# Altium PCB carrier.PcbDoc (part 2 of 3)
Units mm, origin at the board's own origin, x right, y up, seen from the top; angles counter-clockwise.
Board outline 140 x 87 mm, 4 copper layers (Component Side, Power_layer1, Power_layer2, Solder Side), stack 1.674 mm thick; 380 components, 432 nets, 1873 pads, 238 vias.
Unrouted connection lines stored in the file: 867.
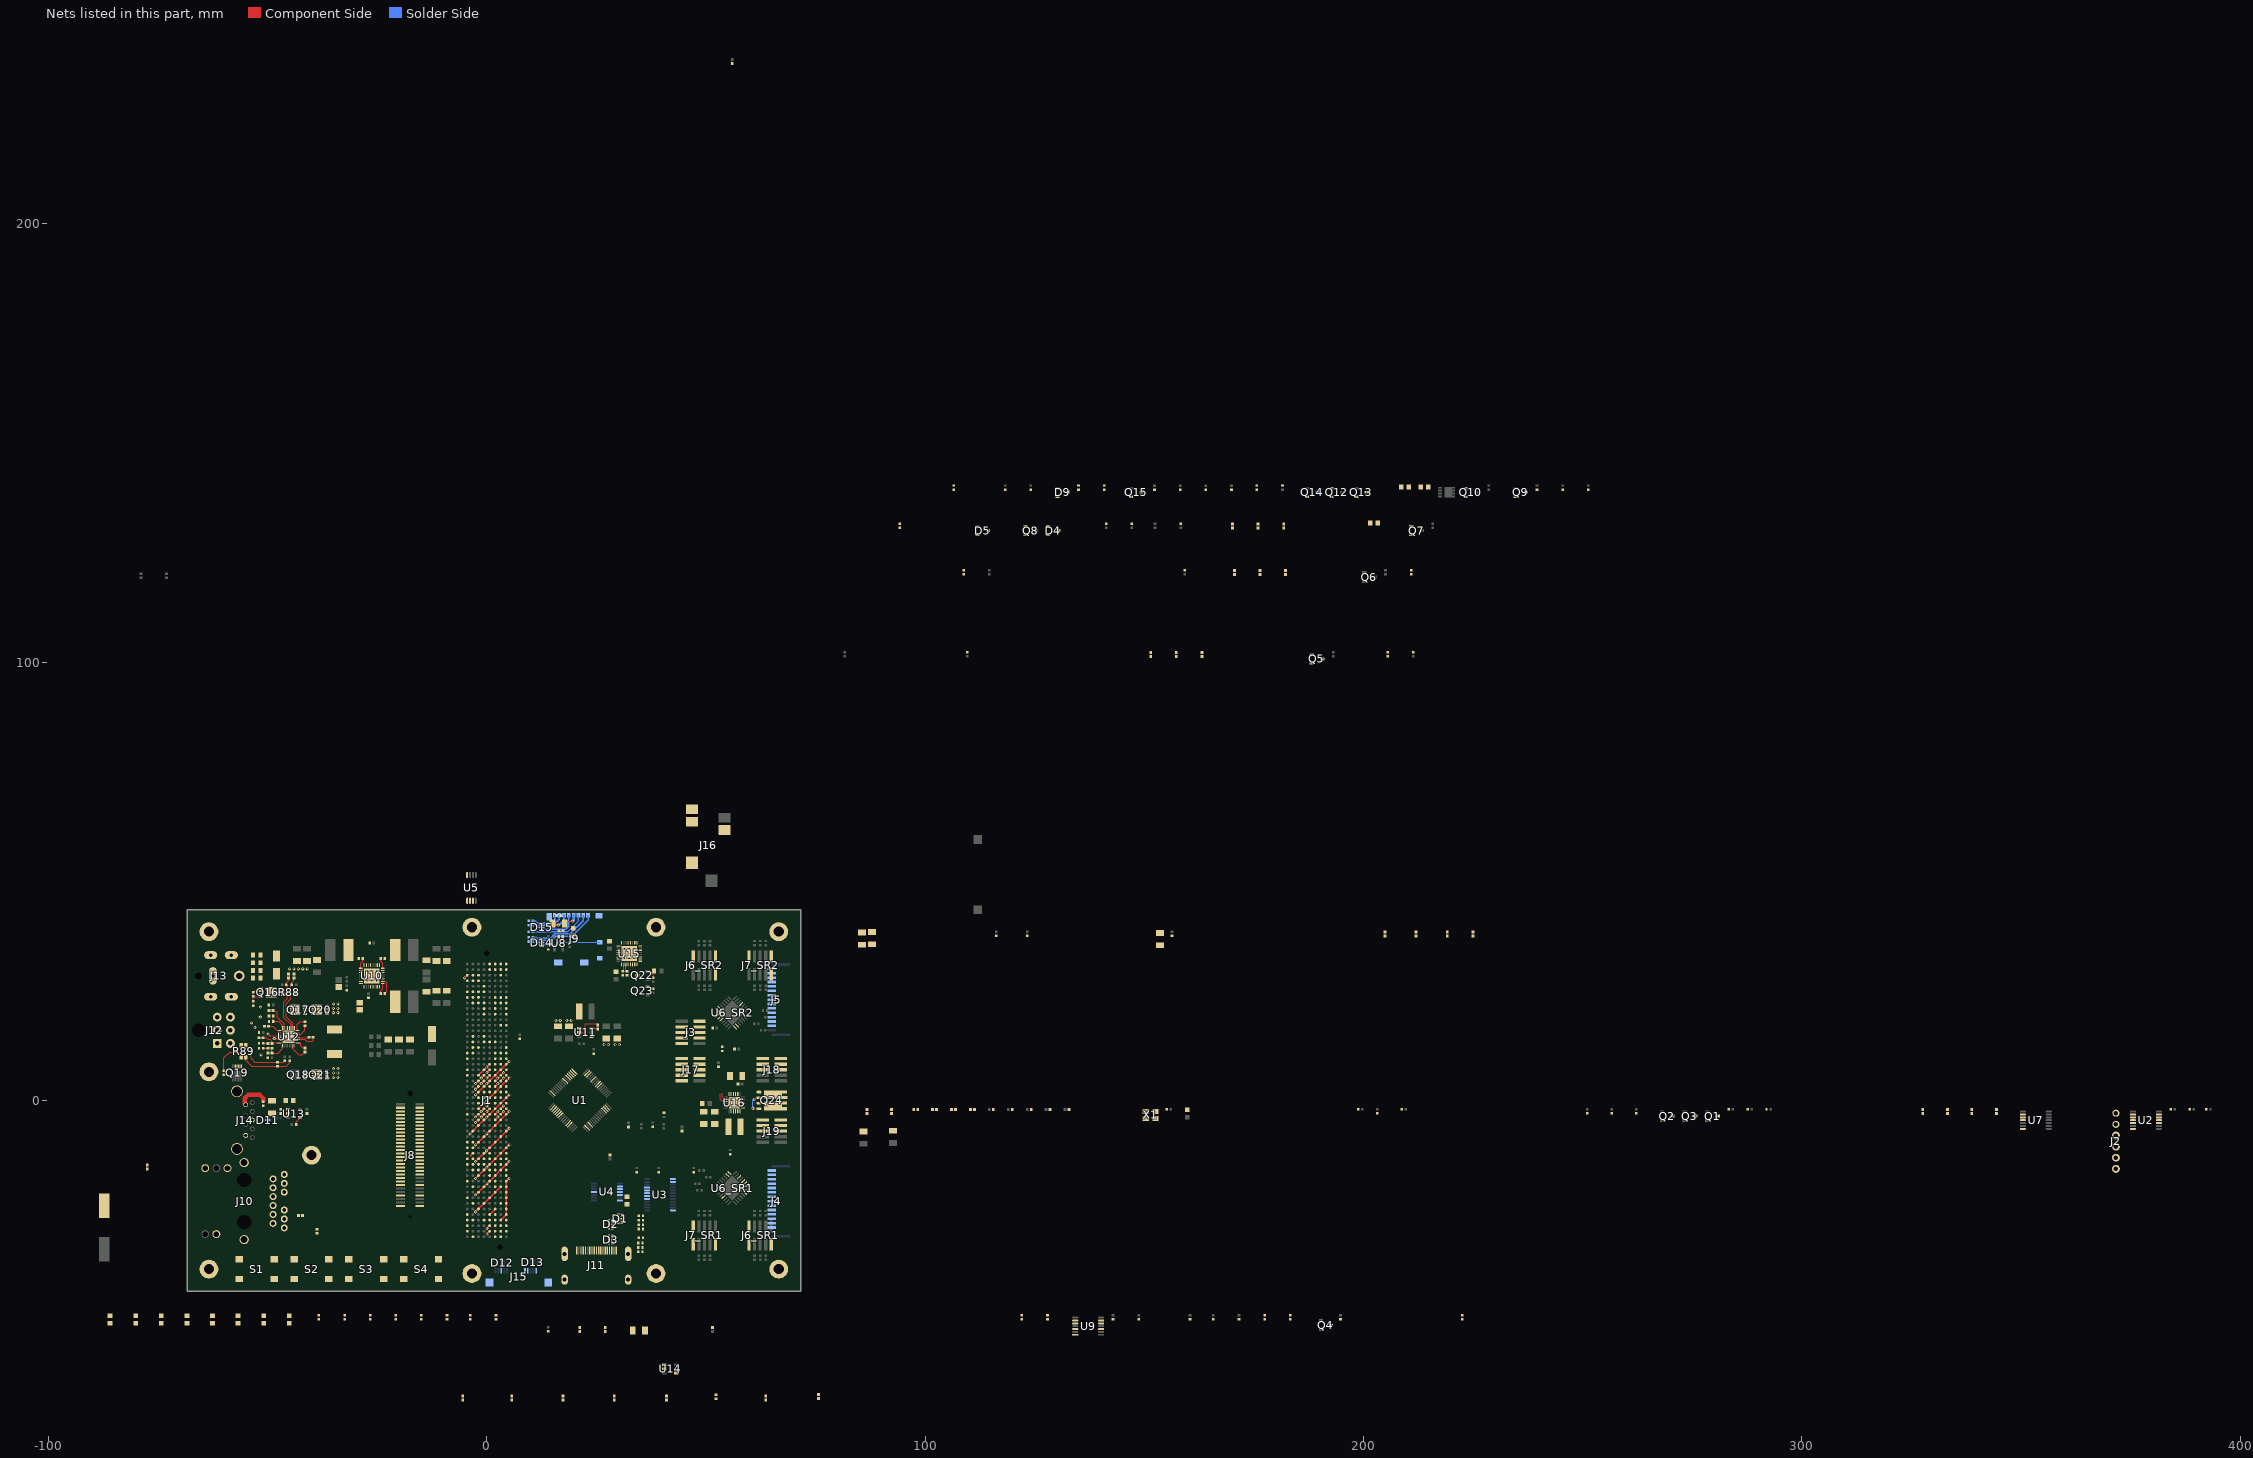
[diagram p4: the nets of this part, all layers, seen from the top]

## Footprints (in the part's own frame and the unit in brackets; to place one, negate y for a bottom-side part, rotate by r counter-clockwise, add the part's x,y. Pads: shape width x height; smd on the part's side, far side on the other; paste and mask are expansions set on the pad) (continued)
SEAM-50-02.0-XX-08-X-A [mil]
  round 25 smd paste+5 mask+2: A1(1225,175) A2(1175,175) A3(1125,175) A4(1075,175) A5(1025,175) A6(975,175) A7(925,175) A8(875,175) A9(825,175) A10(775,175) A11(725,175) A12(675,175) A13(625,175) A14(575,175) A15(525,175) A16(475,175) A17(425,175) A18(375,175) A19(325,175) A20(275,175) A21(225,175) A22(175,175) A23(125,175) A24(75,175) A25(25,175) A26(-25,175) A27(-75,175) A28(-125,175) A29(-175,175) A30(-225,175) A31(-275,175) A32(-325,175) A33(-375,175) A34(-425,175) A35(-475,175) A36(-525,175) A37(-575,175) A38(-625,175) A39(-675,175) A40(-725,175) A41(-775,175) A42(-825,175) A43(-875,175) A44(-925,175) A45(-975,175) A46(-1025,175) A47(-1075,175) A48(-1125,175) A49(-1175,175) A50(-1225,175) B1(1225,125) B2(1175,125) B3(1125,125) B4(1075,125) B5(1025,125) B6(975,125) B7(925,125) B8(875,125) B9(825,125) B10(775,125) B11(725,125) B12(675,125) B13(625,125) B14(575,125) B15(525,125) B16(475,125) B17(425,125) B18(375,125) B19(325,125) B20(275,125) B21(225,125) B22(175,125) B23(125,125) B24(75,125) B25(25,125) B26(-25,125) B27(-75,125) B28(-125,125) B29(-175,125) B30(-225,125) B31(-275,125) B32(-325,125) B33(-375,125) B34(-425,125) B35(-475,125) B36(-525,125) B37(-575,125) B38(-625,125) B39(-675,125) B40(-725,125) B41(-775,125) B42(-825,125) B43(-875,125) B44(-925,125) B45(-975,125) B46(-1025,125) B47(-1075,125) B48(-1125,125) B49(-1175,125) B50(-1225,125) C1(1225,75) C2(1175,75) C3(1125,75) C4(1075,75) C5(1025,75) C6(975,75) C7(925,75) C8(875,75) C9(825,75) C10(775,75) C11(725,75) C12(675,75) C13(625,75) C14(575,75) C15(525,75) C16(475,75) C17(425,75) C18(375,75) C19(325,75) C20(275,75) C21(225,75) C22(175,75) C23(125,75) C24(75,75) C25(25,75) C26(-25,75) C27(-75,75) C28(-125,75) C29(-175,75) C30(-225,75) C31(-275,75) C32(-325,75) C33(-375,75) C34(-425,75) C35(-475,75) C36(-525,75) C37(-575,75) C38(-625,75) C39(-675,75) C40(-725,75) C41(-775,75) C42(-825,75) C43(-875,75) C44(-925,75) C45(-975,75) C46(-1025,75) C47(-1075,75) C48(-1125,75) C49(-1175,75) C50(-1225,75) D1(1225,25) D2(1175,25) D3(1125,25) D4(1075,25) D5(1025,25) D6(975,25) D7(925,25) D8(875,25) D9(825,25) D10(775,25) D11(725,25) D12(675,25) D13(625,25) D14(575,25) D15(525,25) D16(475,25) D17(425,25) D18(375,25) D19(325,25) D20(275,25) D21(225,25) D22(175,25) D23(125,25) D24(75,25) D25(25,25) D26(-25,25) D27(-75,25) D28(-125,25) D29(-175,25) D30(-225,25) D31(-275,25) D32(-325,25) D33(-375,25) D34(-425,25) D35(-475,25) D36(-525,25) D37(-575,25) D38(-625,25) D39(-675,25) D40(-725,25) D41(-775,25) D42(-825,25) D43(-875,25) D44(-925,25) D45(-975,25) D46(-1025,25) D47(-1075,25) D48(-1125,25) D49(-1175,25) D50(-1225,25) E1(1225,-25) E2(1175,-25) E3(1125,-25) E4(1075,-25) E5(1025,-25) E6(975,-25) E7(925,-25) E8(875,-25) E9(825,-25) E10(775,-25) E11(725,-25) E12(675,-25) E13(625,-25) E14(575,-25) E15(525,-25) E16(475,-25) E17(425,-25) E18(375,-25) E19(325,-25) E20(275,-25) E21(225,-25) E22(175,-25) E23(125,-25) E24(75,-25) E25(25,-25) E26(-25,-25) E27(-75,-25) E28(-125,-25) E29(-175,-25) E30(-225,-25) E31(-275,-25) E32(-325,-25) E33(-375,-25) E34(-425,-25) E35(-475,-25) E36(-525,-25) E37(-575,-25) E38(-625,-25) E39(-675,-25) E40(-725,-25) E41(-775,-25) E42(-825,-25) E43(-875,-25) E44(-925,-25) E45(-975,-25) E46(-1025,-25) E47(-1075,-25) E48(-1125,-25) E49(-1175,-25) E50(-1225,-25) F1(1225,-75) F2(1175,-75) F3(1125,-75) F4(1075,-75) F5(1025,-75) F6(975,-75) F7(925,-75) F8(875,-75) F9(825,-75) F10(775,-75) F11(725,-75) F12(675,-75) F13(625,-75) F14(575,-75) F15(525,-75) F16(475,-75) F17(425,-75) F18(375,-75) F19(325,-75) F20(275,-75) F21(225,-75) F22(175,-75) F23(125,-75) F24(75,-75) F25(25,-75) F26(-25,-75) F27(-75,-75) F28(-125,-75) F29(-175,-75) F30(-225,-75) F31(-275,-75) F32(-325,-75) F33(-375,-75) F34(-425,-75) F35(-475,-75) F36(-525,-75) F37(-575,-75) F38(-625,-75) F39(-675,-75) F40(-725,-75) F41(-775,-75) F42(-825,-75) F43(-875,-75) F44(-925,-75) F45(-975,-75) F46(-1025,-75) F47(-1075,-75) F48(-1125,-75) F49(-1175,-75) F50(-1225,-75) G1(1225,-125) G2(1175,-125) G3(1125,-125) G4(1075,-125) G5(1025,-125) G6(975,-125) G7(925,-125) G8(875,-125) G9(825,-125) G10(775,-125) G11(725,-125) G12(675,-125) G13(625,-125) G14(575,-125) G15(525,-125) G16(475,-125) G17(425,-125) G18(375,-125) G19(325,-125) G20(275,-125) G21(225,-125) G22(175,-125) G23(125,-125) G24(75,-125) G25(25,-125) G26(-25,-125) G27(-75,-125) G28(-125,-125) G29(-175,-125) G30(-225,-125) G31(-275,-125) G32(-325,-125) G33(-375,-125) G34(-425,-125) G35(-475,-125) G36(-525,-125) G37(-575,-125) G38(-625,-125) G39(-675,-125) G40(-725,-125) G41(-775,-125) G42(-825,-125) G43(-875,-125) G44(-925,-125) G45(-975,-125) G46(-1025,-125) G47(-1075,-125) G48(-1125,-125) G49(-1175,-125) G50(-1225,-125) H1(1225,-175) H2(1175,-175) H3(1125,-175) H4(1075,-175) H5(1025,-175) H6(975,-175) H7(925,-175) H8(875,-175) H9(825,-175) H10(775,-175) H11(725,-175) H12(675,-175) H13(625,-175) H14(575,-175) H15(525,-175) H16(475,-175) H17(425,-175) H18(375,-175) H19(325,-175) H20(275,-175) H21(225,-175) H22(175,-175) H23(125,-175) H24(75,-175) H25(25,-175) H26(-25,-175) H27(-75,-175) H28(-125,-175) H29(-175,-175) H30(-225,-175) H31(-275,-175) H32(-325,-175) H33(-375,-175) H34(-425,-175) H35(-475,-175) H36(-525,-175) H37(-575,-175) H38(-625,-175) H39(-675,-175) H40(-725,-175) H41(-775,-175) H42(-825,-175) H43(-875,-175) H44(-925,-175) H45(-975,-175) H46(-1025,-175) H47(-1075,-175) H48(-1125,-175) H49(-1175,-175) H50(-1225,-175)
  round 0 hole 50 unplated: MH1(1320.5,0) MH2(-1320.5,-120)
  silkscreen extent -1368,-259 1403,259
SMA_DIOM5226X22N [mm] "Molded Diode, 2-Leads, Body 5.21x2.60mm, IPC Medium Density"
  rect 2.55x1.55 smd: A(2.025,0) C(-2.025,0)
  silkscreen extent -3.57,-1.5 2.8,1.5, body extent -2.8,-1.46 2.8,1.46, height 2.2
STM-LQFP64_N [mm] "Thin QFP, 64-Leads, Body 10x10mm, Pitch 0.5mm, IPC Medium Density"
  oval 1.8x0.3 smd: 1(-5.55,3.75) 2(-5.55,3.25) 3(-5.55,2.75) 4(-5.55,2.25) 5(-5.55,1.75) 6(-5.55,1.25) 7(-5.55,0.75) 8(-5.55,0.25) 9(-5.55,-0.25) 10(-5.55,-0.75) 11(-5.55,-1.25) 12(-5.55,-1.75) 13(-5.55,-2.25) 14(-5.55,-2.75) 15(-5.55,-3.25) 16(-5.55,-3.75) 33(5.55,-3.75) 34(5.55,-3.25) 35(5.55,-2.75) 36(5.55,-2.25) 37(5.55,-1.75) 38(5.55,-1.25) 39(5.55,-0.75) 40(5.55,-0.25) 41(5.55,0.25) 42(5.55,0.75) 43(5.55,1.25) 44(5.55,1.75) 45(5.55,2.25) 46(5.55,2.75) 47(5.55,3.25) 48(5.55,3.75)
  oval 0.3x1.8 smd: 17(-3.75,-5.55) 18(-3.25,-5.55) 19(-2.75,-5.55) 20(-2.25,-5.55) 21(-1.75,-5.55) 22(-1.25,-5.55) 23(-0.75,-5.55) 24(-0.25,-5.55) 25(0.25,-5.55) 26(0.75,-5.55) 27(1.25,-5.55) 28(1.75,-5.55) 29(2.25,-5.55) 30(2.75,-5.55) 31(3.25,-5.55) 32(3.75,-5.55) 49(3.75,5.55) 50(3.25,5.55) 51(2.75,5.55) 52(2.25,5.55) 53(1.75,5.55) 54(1.25,5.55) 55(0.75,5.55) 56(0.25,5.55) 57(-0.25,5.55) 58(-0.75,5.55) 59(-1.25,5.55) 60(-1.75,5.55) 61(-2.25,5.55) 62(-2.75,5.55) 63(-3.25,5.55) 64(-3.75,5.55)
  silkscreen extent -5.67,-4.25 4.25,4.57, body extent -5,-5 5,5, height 1.6
SW_6MM_TACT [mm] "6mm Tactile switch"
  rect 1.45x1.7 smd: 1(-2.25,3.975) 1(2.25,3.975) 2(-2.25,-3.975) 2(2.25,-3.975)
  body extent -3,-3 3,3, height 4.4
TI_PSON50P100X55-10N [mm] "PSON, 10-Leads, Body 2.50x1.00mm, Pitch 0.50mm, IPC Medium Density"
  rect 0.55x0.3 smd: 1(-0.385,1) 1(0.385,1) 2(-0.385,0.5) 2(0.385,0.5) 4(-0.385,-0.5) 4(0.385,-0.5) 5(-0.385,-1) 5(0.385,-1)
  rect 0.55x0.4 smd: 3(-0.385,0) 3(0.385,0)
  silkscreen extent -1,-1.45 0.55,1.5, body extent -0.55,-1.3 0.55,1.3, height 0.55
TI_QFN40P400X400X80_HS-33M [mm] "QFN, 32-Leads, Body 4.00x4.00mm, Pitch 0.40mm, Thermal Pad 2.80x2.80mm, IPC Low Density"
  oval 0.9x0.2 smd: 1(-2.025,1.4) 2(-2.025,1) 3(-2.025,0.6) 4(-2.025,0.2) 5(-2.025,-0.2) 6(-2.025,-0.6) 7(-2.025,-1) 8(-2.025,-1.4) 17(2.025,-1.4) 18(2.025,-1) 19(2.025,-0.6) 20(2.025,-0.2) 21(2.025,0.2) 22(2.025,0.6) 23(2.025,1) 24(2.025,1.4)
  oval 0.2x0.9 smd: 9(-1.4,-2.025) 10(-1,-2.025) 11(-0.6,-2.025) 12(-0.2,-2.025) 13(0.2,-2.025) 14(0.6,-2.025) 15(1,-2.025) 16(1.4,-2.025) 25(1.4,2.025) 26(1,2.025) 27(0.6,2.025) 28(0.2,2.025) 29(-0.2,2.025) 30(-0.6,2.025) 31(-1,2.025) 32(-1.4,2.025)
  rect 2.8x2.8 smd: 33(0,0)
  silkscreen extent -3,-2.22 2.22,2.22, body extent -2.07,-2.07 2.07,2.07, height 0.8
TI_QFN50P400X400X80_HS-25M [mm] "QFN, 24-Leads, Body 4.00x4.00mm, Pitch 0.50mm, Thermal Pad 2.60x2.60mm, IPC Low Density"
  oval 0.95x0.25 smd: 1(-1.975,1.25) 2(-1.975,0.75) 3(-1.975,0.25) 4(-1.975,-0.25) 5(-1.975,-0.75) 6(-1.975,-1.25) 13(1.975,-1.25) 14(1.975,-0.75) 15(1.975,-0.25) 16(1.975,0.25) 17(1.975,0.75) 18(1.975,1.25)
  oval 0.25x0.95 smd: 7(-1.25,-1.975) 8(-0.75,-1.975) 9(-0.25,-1.975) 10(0.25,-1.975) 11(0.75,-1.975) 12(1.25,-1.975) 19(1.25,1.975) 20(0.75,1.975) 21(0.25,1.975) 22(-0.25,1.975) 23(-0.75,1.975) 24(-1.25,1.975)
  rect 2.6x2.6 smd: 25(0,0)
  silkscreen extent -2.97,-2.2 2.2,2.2, body extent -2.05,-2.05 2.05,2.05, height 0.8
TI_QFN50P500X500X100_HS-33M [mm] "QFN, 32-Leads, Body 5.00x5.00mm, Pitch 0.50mm, Thermal Pad 3.45x3.45mm, IPC Low Density"
  oval 0.85x0.25 smd: 1(-2.475,1.75) 2(-2.475,1.25) 3(-2.475,0.75) 4(-2.475,0.25) 5(-2.475,-0.25) 6(-2.475,-0.75) 7(-2.475,-1.25) 17(2.475,-1.75) 18(2.475,-1.25) 19(2.475,-0.75) 20(2.475,-0.25) 21(2.475,0.25) 22(2.475,0.75) 23(2.475,1.25) 24(2.475,1.75)
  oval 0.8x0.25 smd: 8(-2.475,-1.75)
  oval 0.25x0.85 smd: 9(-1.75,-2.475) 10(-1.25,-2.475) 11(-0.75,-2.475) 12(-0.25,-2.475) 13(0.25,-2.475) 14(0.75,-2.475) 15(1.25,-2.475) 16(1.75,-2.475) 25(1.75,2.475) 26(1.25,2.475) 27(0.75,2.475) 28(0.25,2.475) 29(-0.25,2.475) 30(-0.75,2.475) 31(-1.25,2.475) 32(-1.75,2.475)
  rect 3.45x3.45 smd: 33(0,0)
  silkscreen extent -3.5,-2.73 2.73,2.73, body extent -2.58,-2.57 2.57,2.58, height 1
TI_SOT95P280X110-6N [mm] "SOT23, 6-Leads, Body 2.90x2.80mm, Pitch 0.95mm, IPC Medium Density"
  rect 1x0.6 smd: 1(-1.375,0.95) 2(-1.375,0) 3(-1.375,-0.95) 4(1.375,-0.95) 5(1.375,0) 6(1.375,0.95)
  silkscreen extent -1.5,-1.55 0.5,1.92, body extent -0.88,-1.52 0.87,1.53, height 1.1
TI_SOT95P280X145-5N [mm] "SOT23, 5-Leads, Body 2.90x2.80mm, Pitch 0.95mm, IPC Medium Density"
  rect 1x0.6 smd: 1(-1.375,0.95) 2(-1.375,0) 3(-1.375,-0.95) 4(1.375,-0.95) 5(1.375,0.95)
  silkscreen extent -1.5,-1.55 0.5,1.93, body extent -0.88,-1.52 0.87,1.53, height 1.45
TI_TSOP65P640X120-14N [mm] "TSOP, 14-Leads, Body 5.00x4.40mm, Pitch 0.65mm, IPC Medium Density"
  oval 1.4x0.45 smd: 1(-2.95,1.95) 2(-2.95,1.3) 3(-2.95,0.65) 4(-2.95,0) 5(-2.95,-0.65) 6(-2.95,-1.3) 7(-2.95,-1.95) 8(2.95,-1.95) 9(2.95,-1.3) 10(2.95,-0.65) 11(2.95,0) 12(2.95,0.65) 13(2.95,1.3) 14(2.95,1.95)
  silkscreen extent -3.07,-2.55 1.85,2.85, body extent -2.25,-2.55 2.25,2.55, height 1.2
TI_TSOP65P640X120-24N [mm] "TSOP, 24-Leads, Body 7.80x4.40mm, Pitch 0.65mm, IPC Medium Density"
  oval 1.4x0.45 smd: 1(-2.95,3.575) 2(-2.95,2.925) 3(-2.95,2.275) 4(-2.95,1.625) 5(-2.95,0.975) 6(-2.95,0.325) 7(-2.95,-0.325) 8(-2.95,-0.975) 9(-2.95,-1.625) 10(-2.95,-2.275) 11(-2.95,-2.925) 12(-2.95,-3.575) 13(2.95,-3.575) 14(2.95,-2.925) 15(2.95,-2.275) 16(2.95,-1.625) 17(2.95,-0.975) 18(2.95,-0.325) 19(2.95,0.325) 20(2.95,0.975) 21(2.95,1.625) 22(2.95,2.275) 23(2.95,2.925) 24(2.95,3.575)
  silkscreen extent -3.08,-3.95 1.85,4.47, body extent -2.25,-3.95 2.25,3.95, height 1.2
usb3_a [mm] "Molex 48405-000X"
  round 1.1 hole 0.7: 1(-3.5,2) 2(-1,2) 3(1,2) 4(3.5,2) 5(4,3.5) 6(2,3.5) 7(0,3.5) 8(-2,3.5) 9(-4,3.5)
  round 2.7 hole 2.3: SHIELD(-6.57,0) SHIELD(6.57,0)
  silkscreen extent -7,-11.5 6.5,4.8, body extent -7.73,-11.75 7.73,4.75, height 7.56
usb3_micro_ab [mm]
  rect 0.4x1.35 smd: 1(-1.3,4.125) 1(-1.3,4.125) 2(-0.65,4.125) 3(0,4.125) 4(0.65,4.125) 5(1.3,4.125) 6(5.4,4.125) 6(5.4,4.125) 7(6.05,4.125) 8(6.7,4.125) 9(7.35,4.125) 10(8,4.125)
  rect 1.8x1.9 smd: SHIELD(-4,1.45) SHIELD(9.35,1.45)
  silkscreen extent -4,0 9.5,4.1, body extent -4.4,-1.33 9.75,4.37, height 2.7
VISHAY_IHLM2525CZERXXXM01 [mm] "Molded Inductor, 2-Leads, Body 6.86x6.47mm, IPC Medium Density"
  rect 1.83x3.43 smd: 1(-2.77,0) 2(2.77,0)
  silkscreen extent -3.65,-3.4 3.65,3.4, body extent -3.62,-3.36 3.62,3.36, height 3
YUDEN_NRS4018T-XXXMDGJ [mm] "Molded Inductor, 2-Leads, Body 4.00x4.00mm, IPC Medium Density"
  rect 1.4x3.7 smd: 1(-1.4,0) 2(1.4,0)
  silkscreen extent -1.91,-2.16 1.91,2.16, body extent -2.1,-2.1 2.1,2.1, height 1.8

## Part data
C1 C2 C3 C4 C5 C6 C7 C8 C9 C10 C11 C12 C13 C14_SR1 C14_SR2 C15 C16 C17 C18 C19 C20 C21 C22 C23 C24 C25 C26 C27 C28 C29 C30 C31 C32 C33 C34 C35 C36 C37 C38 C40 C41 C42 C43 C44 C45 C46 C47 C48 C49 C50 C51 C52 C53 C54 C55 C56 C57 C58 C59 C60 C61 C62 C63 C64 C65 C66 C67 C68 C69 C70 C71 C72 C73 C74 C75 C76 C77 C78 C79 C80 C81 C82 C83 C84 C85 C86 C87 C88 C89 C90 C91 C92 C93 C94 C95 C96 C97 C98 C99 C100 C101 C102 C103 C104 C105 C106 C107 C108 C109 C110 C111 C112: "Capacitor", Voltage=25V
  C1 C2 C3 C4 C5 C6 C7 C8 C9 C10 C11 C12 C13 C14_SR1 C14_SR2 C15 C16 C17 C18 C19 C20 C21 C22 C23 C24 C25 C26 C27 C28 C29 C30 C31 C32 C34 C35 C36 C40 C41 C42 C43 C45 C46 C47 C50 C51 C52 C53 C54 C55 C56 C57 C59 C60 C61 C64 C65 C66 C67 C68 C69 C70 C72 C73 C74 C75 C76 C77 C78 C79 C80 C81 C82 C83 C84 C85 C86 C87 C88 C89 C90 C91 C92 C93 C94 C95 C96 C97 C98 C99 C100 C101 C102 C103 C104 C105 C106 C107 C108 C109 C110 C111 C112: Type=X7R
  C33 C37 C38 C44 C48 C49 C58 C62 C63 C71: Type=X5R
C39 C113: "Polarized capacitor", Voltage=25V, Type=El
D1 D2 D3 D11 D12 D13 D14 D15: library part tpd4e05u06
D4 D5: library part diode_dual_cc
D6 D7 D8: library part diode_led
D9: library part diode_dual_ca_zener, Voltage=3.6V
D10: library part diode_tvs_unidirectional
FB1 FB5 FB11 FB12 FB13 FB14 FB15 FB16 FB17 FB18 FB19: library part ferrite_bead, "Ferrite bead"
FB2 FB3 FB4 FB6 FB7 FB8 FB9 FB10 FB20 FB21 FB22 FB25: library part ferrite_bead, Frequency=100M
J1: "0.050\" TERMINAL ASSEMBLY.", Manufacturer=SAMTEC, CREATED="December 10, 2015 -Wendy Xin", PCB DECAL=SEAM-50-02.0-XX-08-X-A
J2: library part header_1x6
J3 J6_SR1 J6_SR2 J7_SR1 J7_SR2 J17 J18 J19: "TERMINAL STRIP, .050\"(1.27mm) PITCH, 10 PINS, KEYED", Manufacturer=SAMTEC, CREATED="November 30, 2016 - Wendy Xin", PCB DECAL=FTSH-105-01-XXX-DV-K
J8: library part mezzanine_2x30
J10: library part geth_wmagnetics, "RJ45 with integrated magnetics"
J11: library part hdmi
J12: library part microfit_2x3
J13: library part dc_jack_shielded, digikey#=CP-082BHCT-ND, mouser#=490-PJ-082BH
J16: library part 3.5mm_headset_4pole
L1 L2 L4: library part ind, Current=4.5A
L3: library part ind, Current=2A
L5: library part ind, Current=8A
L6: library part ind, Current=2.2A
MH1 MH2 MH3 MH4 MH5 MH6 MH7 MH8 MH9 MH10: library part mounting_hole
Q1 Q2 Q3 Q5 Q6 Q7 Q8 Q9 Q10 Q12 Q13 Q14 Q15: library part nch_mosfet
Q4 Q23: library part npn_bipolar, "NPN Bipolar Transistor", Code_JEDEC=TO-226-AA, LatestRevisionDate=17-Jul-2002, LatestRevisionNote="Re-released for DXP Platform.", PackageDescription="TO, Flat Index; 3 In-Line, Axial Leads; Body Dia. 4.8mm; Leads 0.55 x 0.51 mm (max)", PackageReference=TO-226-AA, Published=8-Jun-2000, Publisher="Altium Limited"
Q11 Q16 Q19: library part pch_mosfet_diode
Q17 Q18 Q20 Q21: library part nch_mosfet_diode
Q22: library part pch_mosfet
Q24: library part pnp_bipolar_dual, "PNP Bipolar Transistor", LatestRevisionDate=29-May-2009, LatestRevisionNote="IPC-7351 Footprint Added.", PackageDescription="3-Pin SOT-23 Package 0.95 mm Pitch, 2.4 mm Lead Span", PackageReference=SOT-23B, PackageVersion=Aug-1999, Published=8-Jun-2000, Publisher="Altium Limited"
R1 R2 R3 R4 R5 R6 R7 R8 R9 R10 R11 R12 R17 R18 R19 R20 R21 R23 R24 R25 R26 R27 R28 R29 R30 R31 R32 R33 R34 R35 R36 R37 R38 R39 R40 R41 R42 R43 R44 R45 R46 R47 R48 R49 R50 R51 R52 R53 R54 R55 R56 R57 R58 R59 R60 R61 R62 R63 R64 R65 R66 R67 R68 R69 R70 R71 R72 R73 R74 R75 R76 R77 R78 R79 R80 R81 R82 R83 R84 R85 R86 R87 R88 R89 R90 R91 R92 R93 R94 R95 R96 R97 R98 R99 R100 R101 R102 R103 R104 R105 R106 R107 R108 R109 R125 R126 R127: "Resistor"
R13_SR1 R13_SR2 R14_SR1 R14_SR2 R15_SR1 R15_SR2 R16_SR1 R16_SR2 R22 R112 R113_SR1 R113_SR2 R114_SR1 R114_SR2 R115_SR1 R115_SR2 R116_SR1 R116_SR2 R117_SR1 R117_SR2 R118_SR1 R118_SR2 R119_SR1 R119_SR2 R120_SR1 R120_SR2 R121_SR1 R121_SR2 R122_SR1 R122_SR2 R123_SR1 R123_SR2 R124_SR1 R124_SR2 R128 R129 R130: "Resistor", Tolerance=5%
SPK1: library part speaker
U1: "ARM Cortex-M4 32-bit MCU+FPU, 210 DMIPS, 1024 kB Flash, 192 kB Internal RAM, 51 I/Os, 64-pin LQFP, -40 to 85 degC, Tray", I/Os (High Current)=51, Manufacturer=STMicroelectronics, Operating Frequency(F) (Processor speed) (MHz)=168, Supplier Part Number 1=497-11907-ND, Supply Voltage(Vcc) max (V)=3.6, Supply Voltage(Vcc) min (V)=1.8, ComponentLink1Description="Manufacturer URL", ComponentLink1URL=http://www.st.com/web/en/home.html, ComponentLink2Description=Datasheet, ComponentLink2URL=http://www.st.com/st-web-ui/static/active/en/resource/technical/document/datasheet/DM00035129.pdf, ComponentLink3Description="Package Specification", ComponentLink3URL=http://www.st.com/st-web-ui/static/active/en/resource/technical/document/datasheet/DM00037051.pdf, Core="ARM Cortex-M4", D/A Converter=2x12-bit, DatasheetVersion="Rev. 4", FLASH Size (Prog) (kB)=1024, Internal RAM Size (kB)=192, Mounting Technology="Surface Mount", PackageDescription="64-Pin Low Profile Quad Flat Package, 10 x 10 mm Body, 0.5 mm Pitch", PackageReference=LQFP64, PackageVersion="Rev. 4, 06/2013", Packing=Tray, PartNumber=STM32F415RGT6, Supplier 1=Digi-Key, Supplier 2=Farnell, Supplier 3=Newark, Supplier 4=Mouser, Supplier Part Number 2=2064370, Supplier Part Number 3=73T2335, Supplier Part Number 4=511-STM32F415RGT6
U2 U4 U7 U9: library part lsf0204
U3: library part tca9548a
U5: library part at24c02d
U6_SR1 U6_SR2: library part pca9685
U8 U13 U14: library part tps2065c
U12: library part bq25703a
U15: library part tlv320aic3100
U16: library part lm3549
X1: "Crystal with shield"
S1: Text=PWR
S2: Text=RST
S3: Text=REC
S4: Text=SLP

## Via types
v1: diameter 0.7, hole 0.35, Component Side to Solder Side, 105 vias
v2: diameter 0.5, hole 0.2, Component Side to Solder Side, 86 vias
v3: diameter 0.7, hole 0.35, Component Side to Solder Side, tented top, 45 vias
v4: diameter 1.27, hole 0.711, Component Side to Solder Side, 2 vias

## Nets (pads, with @x,y where several pads share a name; then routed paths per layer and width w, separated by ;. In a path a pad name is that pad's centre, name@x,y a point inside that pad or via, vN(x,y) a via of type N, cw(c..) or ccw(c..) an arc to the next point about the centre after c; other vN are vias at no path point)
AUDIO_GND: C1.2 C2.2 C3.2 C4.2 C5.2 C6.2 C7.2 C8.2 C9.2 C10.2 C11.2 C12.1 C13.2 C14_SR1.1 C14_SR2.1 C15.1 C16.1 C17.1 C18.1 C19.2 C20.1 C21.1 C22.1 C23.1 C33.1 C34.1 C35.1 C36.1 C37.1 C38.1 C39.2 C40.1 C41.1 C42.1 C44.1 C45.1 C46.1 C47.1 C48.1 C49.1 C52.1 C53.1 C54.1 C55.1 C56.1 C58.1 C59.1 C60.1 C61.1 C62.1 C63.1 C64.1 C65.1 C66.1 C67.1 C68.1 C69.1 C70.1 C77.2 C78.2 C79.2 C80.2 C81.1 C82.1 C83.1 C84.1 C85.1 C86.2 C87.1 C88.1 C89.1 C92.2 C93.1 C94.1 C95.1 C98.1 C99.1 C100.1 C101.1 C102.1 C103.1 C107.2 C108.2 C109.1 C110.1 C111.1 C112.1 C113.2 D1.3 D2.3 D3.3 D6.C D9.A D10.A D11.3 D12.3 D13.3 D14.3 D15.3 FB2.1 FB3.1 FB4.1 FB6.1 FB7.1 FB8.1 FB9.1 FB10.1 J1.A3 J1.A4 J1.A28 J1.A37 J1.A40 J1.A43 J1.B3 J1.B4 J1.B14 J1.B31 J1.B38 J1.B41 J1.B44 J1.B47 J1.C3 J1.C4 J1.C21 J1.C24 J1.C27 J1.C30 J1.C33 J1.C36 J1.C39 J1.C42 J1.C45 J1.D20 J1.D23 J1.D26 J1.D29 J1.D32 J1.D35 J1.D38 J1.D41 J1.D44 J1.E19 J1.E22 J1.E25 J1.E28 J1.E31 J1.E34 J1.E37 J1.E40 J1.E43 J1.E46 J1.F10 J1.F15 J1.F21 J1.F24 J1.F27 J1.F30 J1.F33 J1.F36 J1.F39 J1.F40 J1.F41 J1.F42 J1.F45 J1.F49 J1.G3 J1.G17 J1.G20 J1.G23 J1.G26 J1.G29 J1.G32 J1.G35 J1.G38 J1.G41 J1.G44 J1.G47 J1.G50 J1.H19 J1.H22 J1.H25 J1.H28 J1.H31 J1.H34 J1.H37 J1.H40 J1.H41 J1.H42 J1.H43 J1.H44 J1.H45 J1.H46 J1.H49 J2.2 J3.3 J3.5 J3.7 J3.9 J4.1 J4.4 J4.7 J4.10 J5.1 J5.4 J5.7 J5.10 J6_SR1.2 J6_SR2.2 J7_SR1.2 J7_SR2.2 J8.11 J8.12 J8.17 J8.18 J8.23 J8.24 J8.29 J8.30 J8.35 J8.36 J8.41 J8.42 J8.47 J8.48 J8.53 J8.54 J8.59 J8.60 J9.6 J9.SHIELD J9.SW2 J10.SHIELD J11.2 J11.5 J11.8 J11.11 J11.17 J11.SHIELD J12.2 J12.3 J13.2 J13.3 J14.4 J14.7 J14.SHIELD J15.5 J15.8 J15.SHIELD J16.1 J17.2 J18.5 J18.6 J19.5 J19.6 MH1.1 MH2.1 MH3.1 MH4.1 MH5.1 MH6.1 MH7.1 MH8.1 MH9.1 MH10.1 Q1.S Q2.S Q3.S Q4.E Q5.S Q6.S Q7.S Q8.S Q9.S Q10.S Q12.S Q13.S Q14.S Q15.S Q20.S Q21.S Q23.E R6.1 R7.1 R17.1 R18.1 R19.1 R30.2 R57.2 R61.2 R67.1 R68.2 R74.1 R75.1 R79.1 R81.2 R82.1 R93.1 R96.1 R97.1 R98.2 R99.2 R100.1 R101.1 R106.1 R112.1 S1.2 S2.2 S3.2 S4.2 U1.12 U1.18 U1.63 U2.7 U3.1 U3.2 U3.12 U3.21 U4.7 U5.4 U5.7 U6_SR1.1 U6_SR1.2 U6_SR1.11 U6_SR1.20 U6_SR1.21 U6_SR1.22 U6_SR1.26 U6_SR2.1 U6_SR2.2 U6_SR2.11 U6_SR2.20 U6_SR2.21 U6_SR2.22 U7.7 U8.2 U9.7 U10.11 U10.14 U10.21 U10.27 U10.33 U11.1 U12.14 U12.27 U12.33 U13.2 U14.2 U15.1 U15.16 U15.18 U15.20 U15.25 U15.29 U15.33 U16.4 U16.14 U16.15 U16.25 X1.2 | length 114.6
  Component Side w0.203: U12.14@-47.275,13.9 -45.85,13.9 v2(-45.8,13.95) U12.33@-45.25,14.5 -44.65,13.9 U12.27@-43.225,13.9 -41.5,13.9 -41.1,13.5 -39.7,13.5 -39.64,13.56 C80.2@-39.64,14.4
  Component Side w0.33: v1(-5.08,27.94) J1.A3@-4.445,28.575 ; v3(-3.81,-7.62) J1.B31@-3.175,-6.985 J1.C30@-1.905,-5.715 J1.D29@-0.635,-4.445 v3(0,-3.81) J1.E28@0.635,-3.175 J1.F27@1.905,-1.905 J1.G26@3.175,-0.635 J1.H25@4.445,0.635 v3(5.08,1.27) ; v3(-2.54,-25.4) J1.C45@-1.905,-24.765 J1.D44@-0.635,-23.495 J1.E43@0.635,-22.225 J1.F42@1.905,-20.955 J1.G41@3.175,-19.685 ; v3(-2.54,-21.59) J1.C42@-1.905,-20.955 J1.D41@-0.635,-19.685 v3(0,-19.05) J1.E40@0.635,-18.415 J1.F39@1.905,-17.145 J1.G38@3.175,-15.875 J1.H37@4.445,-14.605 v3(5.08,-13.97) ; v3(-2.54,-17.78) J1.C39@-1.905,-17.145 J1.D38@-0.635,-15.875 v3(0,-15.24) J1.E37@0.635,-14.605 J1.F36@1.905,-13.335 J1.G35@3.175,-12.065 J1.H34@4.445,-10.795 v3(5.08,-10.16) ; v3(-2.54,-13.97) J1.C36@-1.905,-13.335 J1.D35@-0.635,-12.065 v3(-0.064,-11.493) J1.E34@0.635,-10.795 J1.F33@1.905,-9.525 J1.G32@3.175,-8.255 J1.H31@4.445,-6.985 v3(5.08,-6.35) ; v3(-2.54,-10.16) J1.C33@-1.905,-9.525 J1.D32@-0.635,-8.255 v3(0,-7.62) J1.E31@0.635,-6.985 J1.F30@1.905,-5.715 J1.G29@3.175,-4.445 J1.H28@4.445,-3.175 v3(5.08,-2.54) ; v3(-2.54,1.27) J1.C24@-1.905,1.905 J1.D23@-0.635,3.175 v3(0,3.81) J1.E22@0.635,4.445 J1.F21@1.905,5.715 J1.G20@3.175,6.985 J1.H19@4.445,8.255 v3(5.08,8.89) ; J1.C27@-1.905,-1.905 J1.D26@-0.635,-0.635 v3(0,0) J1.E25@0.635,0.635 J1.F24@1.905,1.905 J1.G23@3.175,3.175 J1.H22@4.445,4.445 v3(5.08,5.08) ; J1.C21@-1.905,5.715 J1.D20@-0.635,6.985 v3(0,7.62) J1.E19@0.635,8.255 ; J1.E46@0.635,-26.035 J1.F45@1.905,-24.765 ; J1.G47@3.175,-27.305 J1.H46@4.445,-26.035 J1.H45@4.445,-24.765 J1.H44@4.445,-23.495 J1.H43@4.445,-22.225 J1.H42@4.445,-20.955 J1.H41@4.445,-19.685 J1.H40@4.445,-18.415 v3(5.08,-17.78)
  Component Side w0.508: C22.1@15,40.4 15.4,40 v1(16.3,40)
  Solder Side w0.508: v1(16.3,40) 16.5,40 17.605,41.105 J9.6@17.605,42.25
  other v1: -35,5.25 -34,5.25 -35,6.25 -34,6.25 -35,7.25 -34,7.25 -51.5,10.4 26.75,12.75 27.75,12.75 29.25,12.75 30.25,12.75 -52.9,16.6 -53.7,17.7 15.75,18.25 16.75,18.25 18.25,18.25 19.25,18.25 -51.7,19 -35,20 -34,20 -35,21 -34,21 -51.6,21.3 -35,22 -34,22 -45,30 -44,30 -43,30 -42,30 -41,30
  other v2: 55.95,-1.05 57.05,-1.05 55.95,0.05 57.05,0.05 -44.7,13.95 -45.8,15.05 -44.7,15.05 -27.35,27.3 -26.25,27.3 -25.15,27.3 -27.35,28.4 -26.25,28.4 -25.15,28.4 -27.35,29.5 -26.25,29.5 -25.15,29.5 31.4,32.4 32.5,32.4 33.6,32.4 31.4,33.5 32.5,33.5 33.6,33.5 31.4,34.6 32.5,34.6 33.6,34.6
BAT_CON: J12.5 J12.6 R89.2
BAT_CONc: Q19.S R89.1
BQL: Q17.D R88.1 R92.2
  other v2: -43.925,20.15 -42.925,20.15 -43.925,21.15 -42.925,21.15
BQSL: C73.2 L5.1 Q17.S Q20.D U12.32 | length 3.4
  Component Side w0.203: U12.32@-43.225,15.9 -43.2,15.925 -43.2,17.4 -42.64,17.96 C73.2@-41.5,17.96
  other v2: -38.925,20.15 -37.925,20.15 -38.925,21.15 -37.925,21.15
BQSR: C74.2 L5.2 Q18.S Q21.D U12.23 | length 4.3
  Component Side w0.203: U12.23@-44.25,12.475 -44.25,11.75 -42.9,10.4 -42.14,10.4 C74.2@-41.5,11.04
  other v2: -38.925,5.4 -37.925,5.4 -38.925,6.4 -37.925,6.4
CHRG_OK: U1.43 U12.4
CSI0_CLK_N: J1.G21 J5.8 | length 0.9
  Component Side w0.34: J1.G21@3.175,5.715 v3(3.81,6.35)
CSI0_CLK_P: J1.G22 J5.9 | length 0.9
  Component Side w0.178: J1.G22@3.175,4.445 v3(3.81,5.08)
CSI0_D0_N: J1.F22 J5.2 | length 0.9
  Component Side w0.34: J1.F22@1.905,4.445 v3(2.54,5.08)
CSI0_D0_P: J1.F23 J5.3 | length 0.9
  Component Side w0.34: J1.F23@1.905,3.175 v3(2.54,3.81)
CSI0_D1_N: J1.H20 J5.5
CSI0_D1_P: J1.H21 J5.6
CSI1_CLK_N: J1.G27 J4.8 | length 0.9
  Component Side w0.34: J1.G27@3.175,-1.905 v3(3.81,-1.27)
CSI1_CLK_P: J1.G28 J4.9 | length 0.9
  Component Side w0.34: J1.G28@3.175,-3.175 v3(3.81,-2.54)
CSI1_D0_N: J1.F28 J4.2 | length 0.9
  Component Side w0.34: J1.F28@1.905,-3.175 v3(2.54,-2.54)
CSI1_D0_P: J1.F29 J4.3 | length 0.9
  Component Side w0.34: J1.F29@1.905,-4.445 v3(2.54,-3.81)
CSI1_D1_N: J1.H26 J4.5
CSI1_D1_P: J1.H27 J4.6
CSI2_CLK_N: J1.D21 J8.19 | length 0.9
  Component Side w0.34: v3(-1.27,5.08) J1.D21@-0.635,5.715
CSI2_CLK_P: J1.D22 J8.21 | length 0.9
  Component Side w0.34: v3(-1.27,3.81) J1.D22@-0.635,4.445
CSI2_D0_N: J1.C22 J8.25 | length 0.9
  Component Side w0.34: v3(-2.54,3.81) J1.C22@-1.905,4.445
CSI2_D0_P: J1.C23 J8.27 | length 0.9
  Component Side w0.34: v3(-2.54,2.54) J1.C23@-1.905,3.175
CSI2_D1_N: J1.E20 J8.13 | length 0.9
  Component Side w0.34: v3(0,6.35) J1.E20@0.635,6.985
CSI2_D1_P: J1.E21 J8.15 | length 0.9
  Component Side w0.34: v3(0,5.08) J1.E21@0.635,5.715
CSI3_CLK_N: J1.D27 J8.43 | length 0.9
  Component Side w0.34: v3(-1.27,-2.54) J1.D27@-0.635,-1.905
CSI3_CLK_P: J1.D28 J8.45 | length 0.9
  Component Side w0.34: v3(-1.27,-3.81) J1.D28@-0.635,-3.175
CSI3_D0_N: J1.C28 J8.31 | length 0.9
  Component Side w0.34: v3(-2.54,-3.81) J1.C28@-1.905,-3.175
CSI3_D0_P: J1.C29 J8.33 | length 0.9
  Component Side w0.34: v3(-2.54,-5.08) J1.C29@-1.905,-4.445
CSI3_D1_N: J1.E26 J8.37 | length 0.9
  Component Side w0.34: v3(0,-1.27) J1.E26@0.635,-0.635
CSI3_D1_P: J1.E27 J8.39 | length 0.9
  Component Side w0.34: v3(0,-2.54) J1.E27@0.635,-1.905
DC_IN: FB14.1 FB15.1 FB16.1 FB17.1 J13.1
DC_INfb: C71.2 FB14.2 FB15.2 FB16.2 FB17.2 Q16.S | length 1.9
  Component Side w0.203: C71.2@-53.3,24.66 -52.985,24.975 Q16.S@-51.515,24.975
DC_INrp: D10.C Q16.D R88.2
  other v2: -50.075,24.15 -49.075,24.15 -50.075,25.15 -49.075,25.15
DISCHARGE: D4.C Q5.G Q6.G Q7.G Q8.G R74.2
DP0_D0_C_N: C30.1 R44.1 R47.2
DP0_D0_C_P: C31.1 R45.1 R46.2
DP0_D0_J_N: D3.4 J11.3 R44.2
DP0_D0_J_P: D3.5 J11.1 R45.2
DP0_D0_N: C30.2 J1.E38
DP0_D0_P: C31.2 J1.E39
DP0_D1_C_N: C28.1 R42.1 R49.2
DP0_D1_C_P: C29.1 R43.1 R48.2
DP0_D1_J_N: D3.1 J11.6 R42.2
DP0_D1_J_P: D3.2 J11.4 R43.2
DP0_D1_N: C28.2 J1.C37
DP0_D1_P: C29.2 J1.C38
DP0_D2_C_N: C26.1 R40.1 R51.2
DP0_D2_C_P: C27.1 R41.1 R50.2
DP0_D2_J_N: D2.2 J11.9 R40.2
DP0_D2_J_P: D2.1 J11.7 R41.2
DP0_D2_N: C26.2 J1.D36
DP0_D2_P: C27.2 J1.D37
DP0_D3_C_N: C24.1 R38.1 R53.2
DP0_D3_C_P: C25.1 R39.1 R52.2
DP0_D3_J_N: D2.5 J11.12 R38.2
DP0_D3_J_P: D2.4 J11.10 R39.2
DP0_D3_N: C24.2 J1.E35
DP0_D3_P: C25.2 J1.E36
DPM2_AUX_N: J1.B34 J8.14
DPM2_AUX_P: J1.B35 J8.16 | length 0.9
  Component Side w0.34: -3.81,-12.7 J1.B35@-3.175,-12.065
DPM2_D0_N: J1.H35 J8.20
DPM2_D0_P: J1.H36 J8.22
DPM2_D1_N: J1.G36 J8.26
DPM2_D1_P: J1.G37 J8.28
DPM2_D2_N: J1.F37 J8.32
DPM2_D2_P: J1.F38 J8.34
DPM2_D3_N: J1.H38 J8.38
DPM2_D3_P: J1.H39 J8.40
EN_OTG: U1.20 U12.5
I2C_CAM1.SCL: J4.13 R130.1 U3.20
I2C_CAM1.SDA: J4.14 R129.1 U3.19
I2C_CAM2.SCL: J5.13 R128.1 U3.18
I2C_CAM2.SDA: J5.14 R22.1 U3.17
JTCK: J3.4 U1.49
JTDI: J3.8 U1.50
JTDO: J3.6 U1.55
JTMS: J3.2 U1.46
MCU_SCL: D9.C2 J6_SR1.9 J6_SR2.9 J7_SR1.9 J7_SR2.9 R9.1 R84.1 U1.29 U6_SR1.23 U6_SR2.23 U12.13 U16.21 | length 4.1
  Component Side w0.203: v1(-48.5,14.1) -48,14.1 -47.8,14.3 U12.13@-47.275,14.3 ; 53.2,1.5 53.2,0.3 53.75,-0.25 U16.21@54.525,-0.25
MCU_SDA: D9.C1 J6_SR1.10 J6_SR2.10 J7_SR1.10 J7_SR2.10 R10.1 R83.1 U1.30 U6_SR1.24 U6_SR2.24 U12.12 U16.20 | length 4.8
  Component Side w0.203: v1(-49.9,15.1) -49.5,14.7 U12.12@-47.275,14.7 ; 53.7,1.65 53.7,0.55 54,0.25 U16.20@54.525,0.25
MDI0_N: J1.E49 J10.10 | length 0.9
  Component Side w0.34: v3(0,-30.48) J1.E49@0.635,-29.845
MDI0_P: J1.E48 J10.11 | length 0.9
  Component Side w0.34: v3(0,-29.21) J1.E48@0.635,-28.575
MDI1_N: J1.F48 J10.5
MDI1_P: J1.F47 J10.4
MDI2_N: J1.G49 J10.2
MDI2_P: J1.G48 J10.3
MDI3_N: J1.H48 J10.9
MDI3_P: J1.H47 J10.8
NetC2_1: C2.1 FB5.2 U1.13
NetC7_1: C7.1 U1.47
NetC8_1: C8.1 U1.31
NetC9_1: C9.1 U1.7
NetC10_1: C10.1 U1.6 X1.1
NetC11_1: C11.1 U1.5 X1.3
NetC12_2: C12.2 J1.B50 Q1.D S1.1
NetC15_2: C15.2 J1.A47 S2.1
NetC16_2: C16.2 J1.E1 S3.1
NetC17_2: C17.2 J1.E2 S4.1
NetC20_2: C20.2 FB1.1 U8.1
NetC21_2: C21.2 C22.2 FB1.2 J9.4 | length 3.4
  Component Side w0.203: C22.2@17.8,40.4 18.3,40.9 v1(19.6,40.9)
  Solder Side w0.508: v1(19.6,40.9) 19.805,41.105 J9.4@19.805,42.25
NetC23_2: C23.2 J10.1 J10.6 J10.7 J10.12
NetC32_1: C32.1 L1.1 U10.26 | length 0.2
  Component Side w0.254: L1.1@-31.575,34.065 L1.1@-31.575,34.3
NetC32_2: C32.2 U10.25 | length 2.4
  Component Side w0.254: U10.25@-28.725,30.15 -28.725,31.325 -28.29,31.76 C32.2@-28.29,32.4
NetC34_2: C34.2 R54.1
NetC35_2: C35.2 R54.2 U10.23
NetC36_2: C36.2 U10.24
NetC43_1: C43.1 L2.1 U10.10 | length 3.7
  Component Side w0.254: U10.10@-23.775,27.15 -23.2,27.15 -22.85,26.8 -22.85,24.84 C43.1@-23.29,24.4
NetC43_2: C43.2 U10.9 | length 2.4
  Component Side w0.254: C43.2@-24.21,24.4 -24.21,25.04 -23.775,25.475 U10.9@-23.775,26.65
NetC45_2: C45.2 R58.1
NetC46_2: C46.2 R58.2 U10.7
NetC47_2: C47.2 U10.8
NetC50_1: C50.1 L3.1 U11.2 | length 6.3
  Component Side w0.203: U11.2@21.125,15.5 21.175,15.45 22.5,15.45 22.5,17.45 25.06,17.45 C50.1@25.3,17.21
NetC50_2: C50.2 U11.6 | length 1.5
  Component Side w0.203: U11.6@23.875,16.45 25.14,16.45 C50.2@25.3,16.29
NetC51_1: C51.1 L4.1 U10.15
NetC51_2: C51.2 U10.16 | length 2.4
  Component Side w0.254: C51.2@-24.21,32.4 -24.21,31.76 -23.775,31.325 U10.16@-23.775,30.15
NetC57_2: C57.2 R63.1 R67.2 U11.4
NetC59_2: C59.2 R64.1
NetC60_2: C60.2 R64.2 U10.18
NetC61_2: C61.2 U10.17
NetC64_2: C64.2 R72.1 U10.4 U10.5 U10.31 U10.32
NetC70_2: C70.2 R85.1 R86.1 R87.2 U12.7 | length 5.5
  Component Side w0.203: C70.2@-48.79,20.5 -48,20.5 -47.79,20.29 -47.79,18.99 -46.25,17.45 U12.7@-46.25,16.525
NetC71_1: C71.1 Q16.G R93.2 | length 3
  Component Side w0.203: R93.2@-53.3,22.575 C71.1@-53.3,23.74 -53.235,23.675 Q16.G@-51.515,23.675
NetC72_1: C72.1 R89.S2 R95.2 | length 11.7
  Component Side w0.203: R89.S2@-54.99,12.589 -53.8,11.399 -53.8,9.6 -52.91,8.71 C72.1@-47.75,8.71 -46.415,8.71 R95.2@-46.1,9.025
NetC72_2: C72.2 C77.1 R89.S1 R94.2 | length 21.4
  Component Side w0.203: C77.1@-60,6.76 -60,9.7 -58.7,11 -55.3,11 -54.99,10.69 R89.S1@-54.99,9.811 -54.99,9.19 -53.59,7.79 C72.2@-47.75,7.79 -45.81,7.79 -45,8.6 R94.2@-45,9.025
NetC73_1: C73.1 U12.30 | length 2.9
  Component Side w0.203: U12.30@-43.225,15.1 -42.4,15.1 -41.879,15.621 -41.879,15.64 -41.54,15.979 -41.521,15.979 -41.5,16 C73.1@-41.5,16.825
NetC74_1: C74.1 U12.25 | length 2.5
  Component Side w0.203: U12.25@-43.225,13.1 -42.7,13.1 -42.5,12.9 -42.5,12.5 -42,12 -41.675,12 C74.1@-41.5,12.175
NetC75_1: C75.1 C78.1 U12.17 | length 4.6
  Component Side w0.203: C75.1@-49.04,11.9 C78.1@-49.04,10.8 -47.6,10.8 -46.65,11.75 U12.17@-46.65,12.475
NetC75_2: C75.2 R96.2 | length 1.1
  Component Side w0.203: R96.2@-51.025,11.9 C75.2@-49.96,11.9
NetC76_1: C76.1 C79.1 U12.16 | length 4.7
  Component Side w0.203: C79.1@-51.04,14.3 -50.3,14.3 -49.9,13.9 -49.4,13.9 -49.04,13.54 C76.1@-49.04,13 -48.94,13.1 U12.16@-47.275,13.1
NetC76_2: C76.2 R97.2 | length 1.1
  Component Side w0.203: R97.2@-51.025,13 C76.2@-49.96,13
NetC80_1: C80.1 R87.1 U12.28 | length 2.3
  Component Side w0.203: U12.28@-43.225,14.3 -40.975,14.3 -40.925,14.25
NetC81_2: C81.2 U12.9 | length 3
  Component Side w0.203: C81.2@-49.84,16.9 -48.8,16.9 -47.8,15.9 U12.9@-47.275,15.9
NetC82_2: C82.2 R101.2 U12.8 | length 4.3
  Component Side w0.203: C82.2@-48.75,19.25 R101.2@-48.75,18 -47.5,18 -46.65,17.15 U12.8@-46.65,16.525
NetC83_2: C83.2 R90.1 U12.3 | length 12.7
  Component Side w0.203: C83.2@-45.25,27.94 -45.25,27.4 -45.75,26.9 R90.1@-45.75,26.4 -45.75,26.15 -45.5,25.9 -45.5,23.15 -46.3,22.35 -46.3,18.9 -44.65,17.25 U12.3@-44.65,16.525
NetC84_2: C84.2 R91.1 U12.2 | length 12.8
  Component Side w0.203: U12.2@-44.25,16.525 -44.25,17.55 -45.8,19.1 -45.8,22.1 -44.75,23.15 -44.75,26.15 -44.5,26.4 R91.1@-44.475,26.4 -44.475,26.925 -44,27.4 C84.2@-44,27.94
NetC85_2: C85.2 R92.1 U12.1
NetC87_2: C87.2 FB18.1 U13.1
NetC88_2: C88.2 C89.2 FB18.2 J14.1 | length 7.1
  Component Side w1: J14.1@-55,-1 -55.25,-0.75 -55.25,0.5 -54.5,1.25 -51.75,1.25 -51.05,0.55 C88.2@-51.05,-0.15
NetC93_2: C93.2 FB19.1 U14.1
NetC94_2: C94.2 C95.2 FB19.2 J1.B37 J15.1
NetC98_2: C98.2 C99.2 Q22.D U15.17 U15.28
NetC100_2: C100.2 C101.2 FB20.2 R105.1 U15.2 U15.3 | length 4.3
  Component Side w0.203: U15.2@31.25,31.025 31.25,29.71 C100.2@31,29.46 C101.2@32,29.46 31.75,29.71 U15.3@31.75,31.025
NetC102_2: C102.2 C103.2 FB22.2 U15.21 U15.24
NetC104_1: C104.1 U15.14
NetC104_2: C104.2 J16.4 R107.1 U15.11
NetC105_1: C105.1 U15.30
NetC105_2: C105.2 J16.3
NetC106_1: C106.1 U15.27
NetC106_2: C106.2 J16.2
NetC109_2: C109.2 Q24.E1 Q24.E2 U16.7 U16.9
NetC111_2: C111.2 C112.2 FB25.1 U16.23
NetD1_1: D1.1 J11.13 U9.10
NetD1_2: D1.2 J11.19 R29.1 R30.1
NetD1_4: D1.4 J11.15 R35.1 U9.13
NetD1_5: D1.5 J11.16 R34.1 U9.12
NetD4_A1: D4.A1 D5.C Q13.D R71.2
NetD4_A2: D4.A2 Q9.D Q10.G R70.2
NetD5_A2: D5.A2 U10.1
NetD6_A: D6.A R76.1
NetD7_A: D7.A R77.1
NetD7_C: D7.C Q14.D
NetD8_A: D8.A R78.1
NetD8_C: D8.C Q15.D
NetD14_1: D14.1 J9.2 R127.2 | length 14.5
  Solder Side w0.343: R127.2@10.475,37.25 11.25,37.25 11.5,37 D14.1@12.115,37 D14.1@12.885,37 14.5,37 15.5,38 19,38 22.005,41.005 J9.2@22.005,42.25
NetD14_2: D14.2 J9.1 R126.2 | length 15.8
  Solder Side w0.343: R126.2@10.475,36.25 11.25,36.25 11.5,36.5 D14.2@12.115,36.5 D14.2@12.885,36.5 14.75,36.5 15.75,37.5 19.5,37.5 23.105,41.105 J9.1@23.105,42.25
NetD14_4: D14.4 J1.F17 J9.SW1 | length 13.9
  Solder Side w0.203: D14.4@12.115,35.5 D14.4@12.885,35.5 15.75,35.5 16.35,36.1 J9.SW1@25.74,36.1
NetD15_1: D15.1 J9.8 R125.2 | length 6.6
  Solder Side w0.343: R125.2@10.475,41 11,41 11.5,40.5 D15.1@12.115,40.5 D15.1@12.885,40.5 14.9,40.5 15.455,41.055 J9.8@15.455,42.25
NetD15_2: D15.2 J9.7 R26.2 | length 7.5
  Solder Side w0.343: R26.2@10.475,40 D15.2@12.115,40 D15.2@12.885,40 15.2,40 16.505,41.305 J9.7@16.505,42.25
NetD15_4: D15.4 J1.G18 J9.5 | length 9.4
  Solder Side w0.343: D15.4@12.115,39 D15.4@12.885,39 18,39 18.705,39.705 J9.5@18.705,42.25
NetD15_5: D15.5 J9.3 R25.2 | length 12.8
  Solder Side w0.343: R25.2@10.475,38.5 D15.5@12.115,38.5 D15.5@12.885,38.5 18.5,38.5 20.905,40.905 J9.3@20.905,42.25
NetFB2_2: FB2.2 R46.1
NetFB3_2: FB3.2 R47.1
NetFB4_2: FB4.2 R48.1
NetFB6_2: FB6.2 R49.1
NetFB7_2: FB7.2 R50.1
NetFB8_2: FB8.2 R51.1
NetFB9_2: FB9.2 R52.1
NetFB10_2: FB10.2 R53.1
NetFB21_2: FB21.2 Q22.S R104.2 | length 1.6
  Component Side w0.203: R104.2@38,27.975 38,29.35 FB21.2@38.15,29.5
NetJ1_A6: J1.A6 U2.5
NetJ1_A7: J1.A7 Q2.D
NetJ1_A17: J1.A17 R102.1 U13.4 | length 1.9
  Component Side w0.203: R102.1@-43.525,-5.5 -43.525,-4.85 U13.4@-42.625,-3.95
NetJ1_A18: J1.A18 R103.1 U14.4
NetJ1_A20: J1.A20 J8.3
NetJ1_A21: J1.A21 J8.5
NetJ1_A33: J1.A33 Q4.C R28.1
NetJ1_A34: J1.A34 R33.1 U9.3
NetJ1_A35: J1.A35 R32.1 U9.2
NetJ1_A36: J1.A36 J15.4
NetJ1_A46: J1.A46 R5.1
NetJ1_A48: J1.A48 R8.1
NetJ1_A49: J1.A49
NetJ1_B6: J1.B6 U2.4
NetJ1_B7: J1.B7 Q12.G R82.2
NetJ1_B8: J1.B8 R4.1
NetJ1_B15: J1.B15 J8.4
NetJ1_B16: J1.B16 J8.6
NetJ1_B17: J1.B17
NetJ1_B33: J1.B33 R31.1 U9.5
NetJ1_B36: J1.B36 J8.8
NetJ1_C6: J1.C6 U4.3 U5.6
NetJ1_C7: J1.C7 Q3.D
NetJ1_C8: J1.C8 U7.4
NetJ1_C16: J1.C16
NetJ1_C25: J1.C25
NetJ1_C26: J1.C26
NetJ1_D5: J1.D5 U7.2
NetJ1_D6: J1.D6 U4.2 U5.5
NetJ1_D8: J1.D8 U7.3
NetJ1_D9: J1.D9 U2.3
NetJ1_D10: J1.D10 U2.2
NetJ1_D14: J1.D14
NetJ1_D15: J1.D15 R108.1 U15.9
NetJ1_D24: J1.D24
NetJ1_D25: J1.D25
NetJ1_D47: J1.D47 J8.10
NetJ1_E15: J1.E15 R109.1 U15.10
NetJ1_E23: J1.E23
NetJ1_E24: J1.E24
NetJ1_E47: J1.E47 R27.2
NetJ1_F1: J1.F1 U15.8
NetJ1_F2: J1.F2 U15.31
NetJ1_F7: J1.F7 J8.9
NetJ1_F8: J1.F8 J8.7
NetJ1_F9: J1.F9 U4.4
NetJ1_F18: J1.F18 R127.1
NetJ1_F19: J1.F19 R126.1
NetJ1_F20: J1.F20
NetJ1_F25: J1.F25
NetJ1_F26: J1.F26
NetJ1_F46: J1.F46 R36.1
NetJ1_F50: J1.F50 R37.2
NetJ1_G1: J1.G1 U15.4
NetJ1_G2: J1.G2 U15.7
NetJ1_G7: J1.G7
NetJ1_G8: J1.G8 U4.5
NetJ1_G12: J1.G12
NetJ1_G19: J1.G19 R25.1
NetJ1_G24: J1.G24
NetJ1_G25: J1.G25
NetJ1_H1: J1.H1 U15.6
NetJ1_H2: J1.H2 U15.5
NetJ1_H7: J1.H7
NetJ1_H8: J1.H8
NetJ1_H9: J1.H9
NetJ1_H10: J1.H10
NetJ1_H12: J1.H12
NetJ1_H16: J1.H16 R23.1
NetJ1_H17: J1.H17 R125.1
NetJ1_H18: J1.H18 R26.1
NetJ1_H23: J1.H23
NetJ1_H24: J1.H24
NetJ2_1: J2.1 R3.1
NetJ2_3: J2.3 U2.13
NetJ2_4: J2.4 U2.12
NetJ2_5: J2.5 R2.1 U2.11
NetJ2_6: J2.6 R1.1 U2.10
NetJ4_11: J4.11 J5.11 R20.2 R21.1
NetJ4_12: J4.12 J5.12 U4.11
NetJ10_13: J10.13 R27.1
NetJ10_15: J10.15 R36.2
NetJ10_17: J10.17 R37.1
NetJ12_1: J12.1 R84.2
NetJ12_4: J12.4 R83.2
NetJ17_3: J17.3 U1.39
NetJ17_4: J17.4 U1.40
NetJ17_5: J17.5 U1.51
NetJ17_6: J17.6 U1.52
NetJ17_7: J17.7 U1.53
NetJ17_8: J17.8 U1.2
NetJ17_9: J17.9 U1.3
NetJ17_10: J17.10 U1.4
NetJ18_7: J18.7 Q24.B1 Q24.B2 Q24.C1 | length 8.3
  Component Side w0.203: v1(60.7,-1.8) 60.805,-1.905 Q24.B2@62.075,-1.905 ; v1(61,0.25) 61.385,0.635 Q24.B1@62.075,0.635 64.685,0.635 Q24.C1@65.32,1.27
  Solder Side w0.203: v1(60.7,-1.8) 60.7,-0.05 v1(61,0.25)
NetJ18_8: J18.8 J19.8 U16.16
NetJ18_9: J18.9 J19.9 U16.17
NetJ18_10: J18.10 J19.10 U16.18
NetJ19_7: J19.7 Q24.C2
NetL6_1: L6.1 U16.5 U16.6
NetL6_2: L6.2 U16.2 U16.3
NetQ4_B: Q4.B R29.2
NetQ5_D: Q5.D R55.2